# Altium PCB Mainboard.PcbDoc
Units mm, origin at the board's own origin, x right, y up, seen from the top; angles counter-clockwise.
Board outline 70 x 71 mm, 2 copper layers (Top Layer, Bottom Layer), stack 1.57 mm thick; 51 components, 59 nets, 190 pads, 250 vias.
Unrouted connection lines stored in the file: 4.
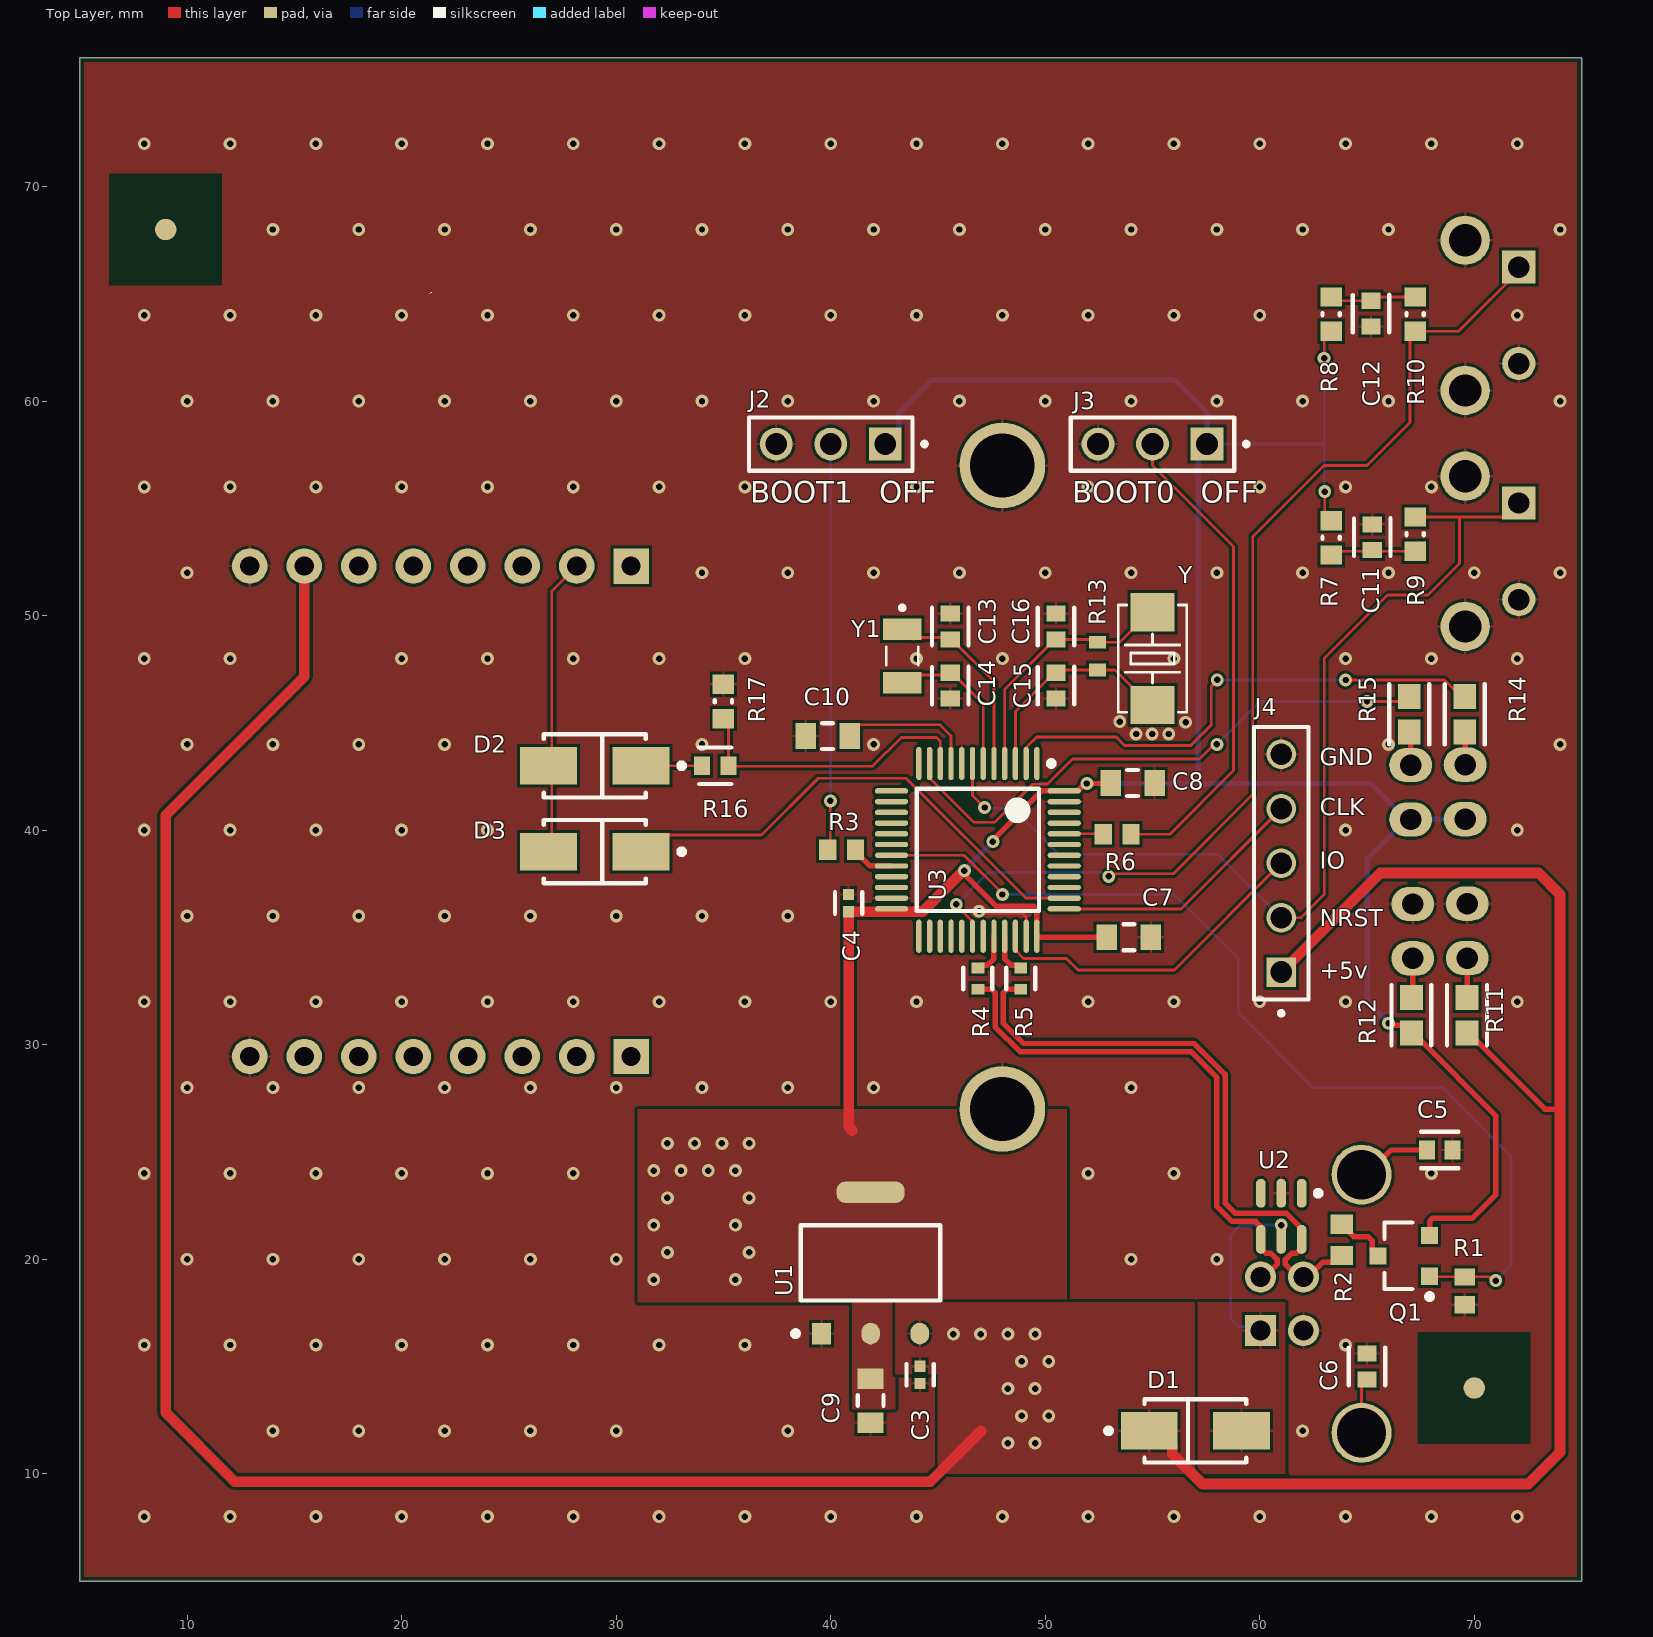
[diagram p0: Top Layer view]
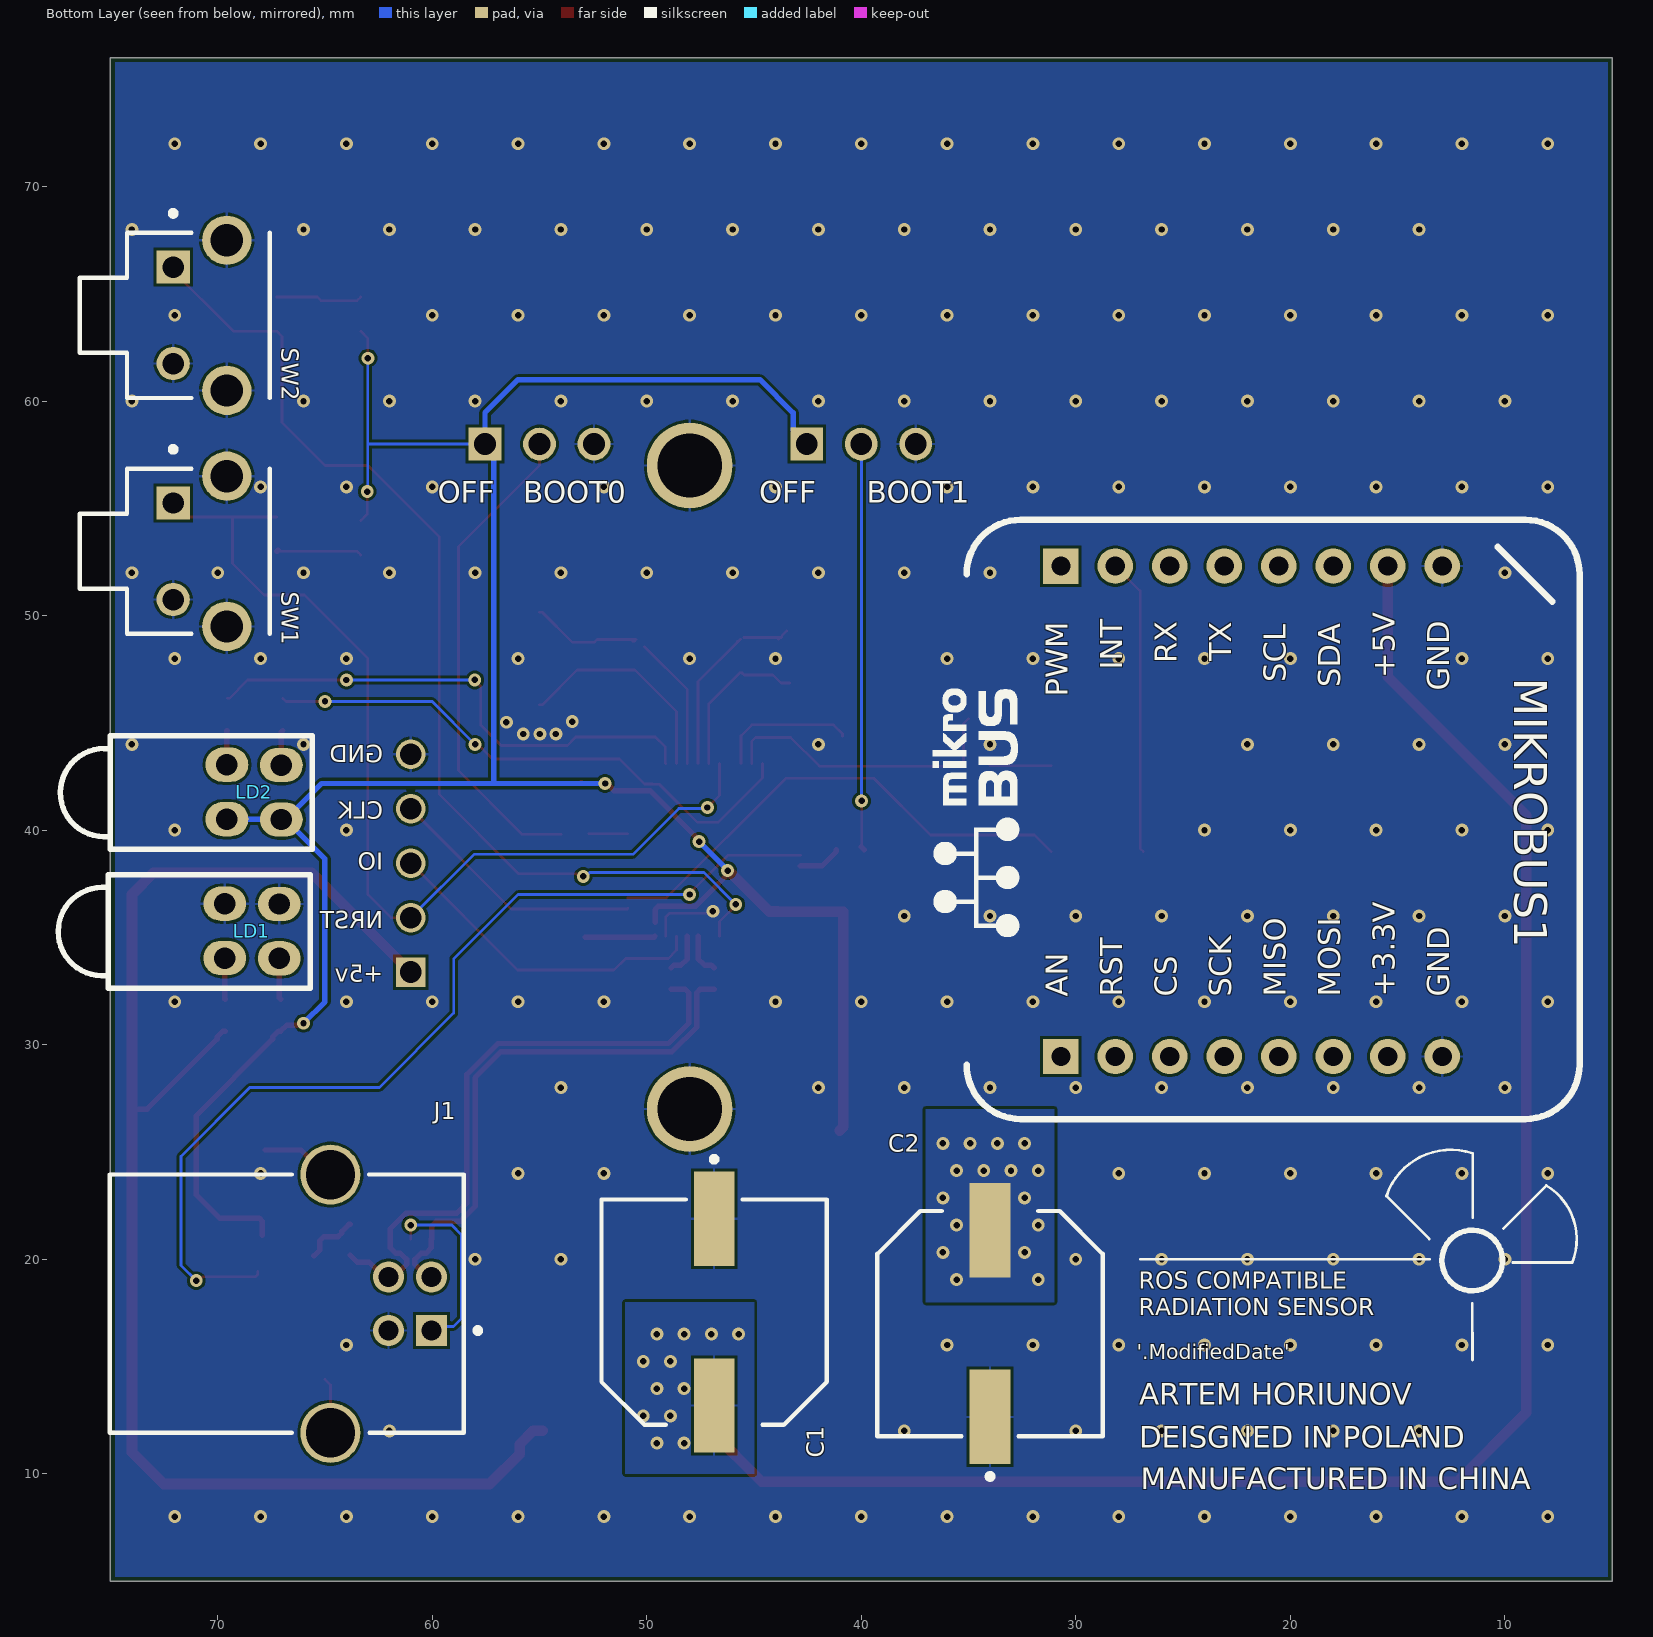
[diagram p1: Bottom Layer view, seen from below]
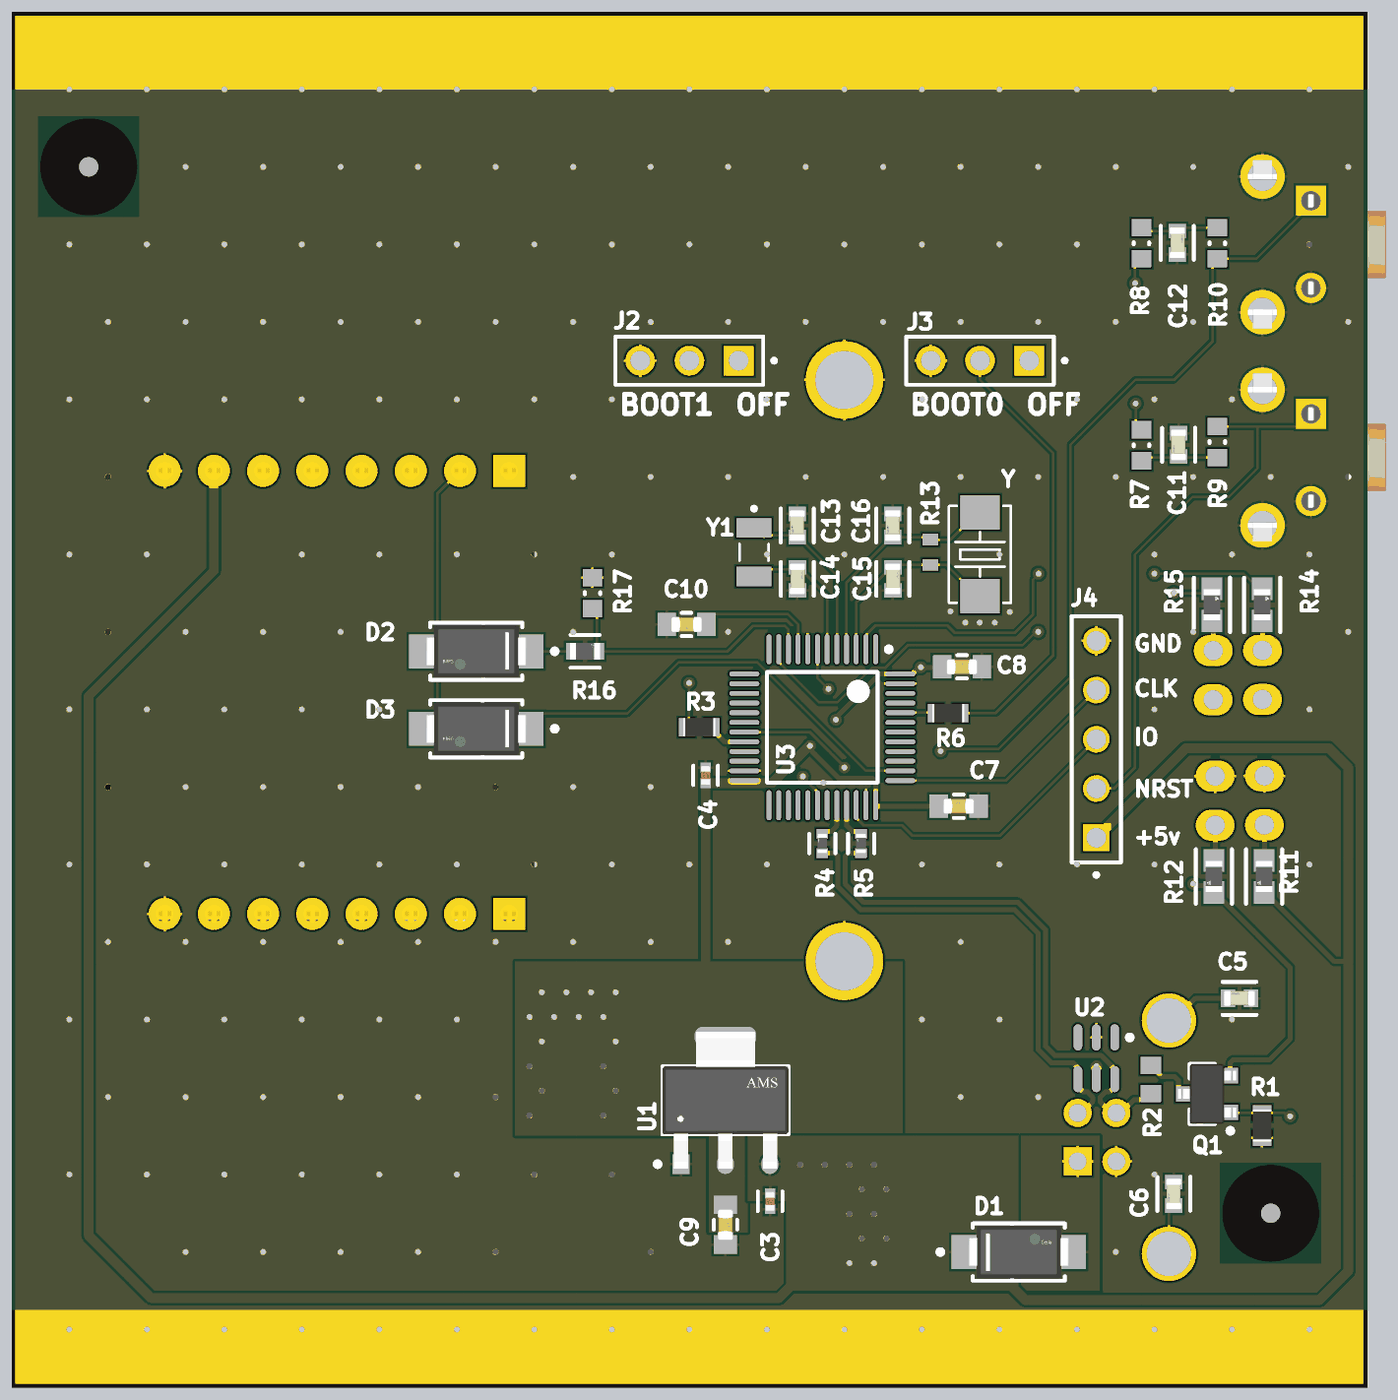
[diagram p2: 3D render of the assembled board from above, using the file's embedded part models]
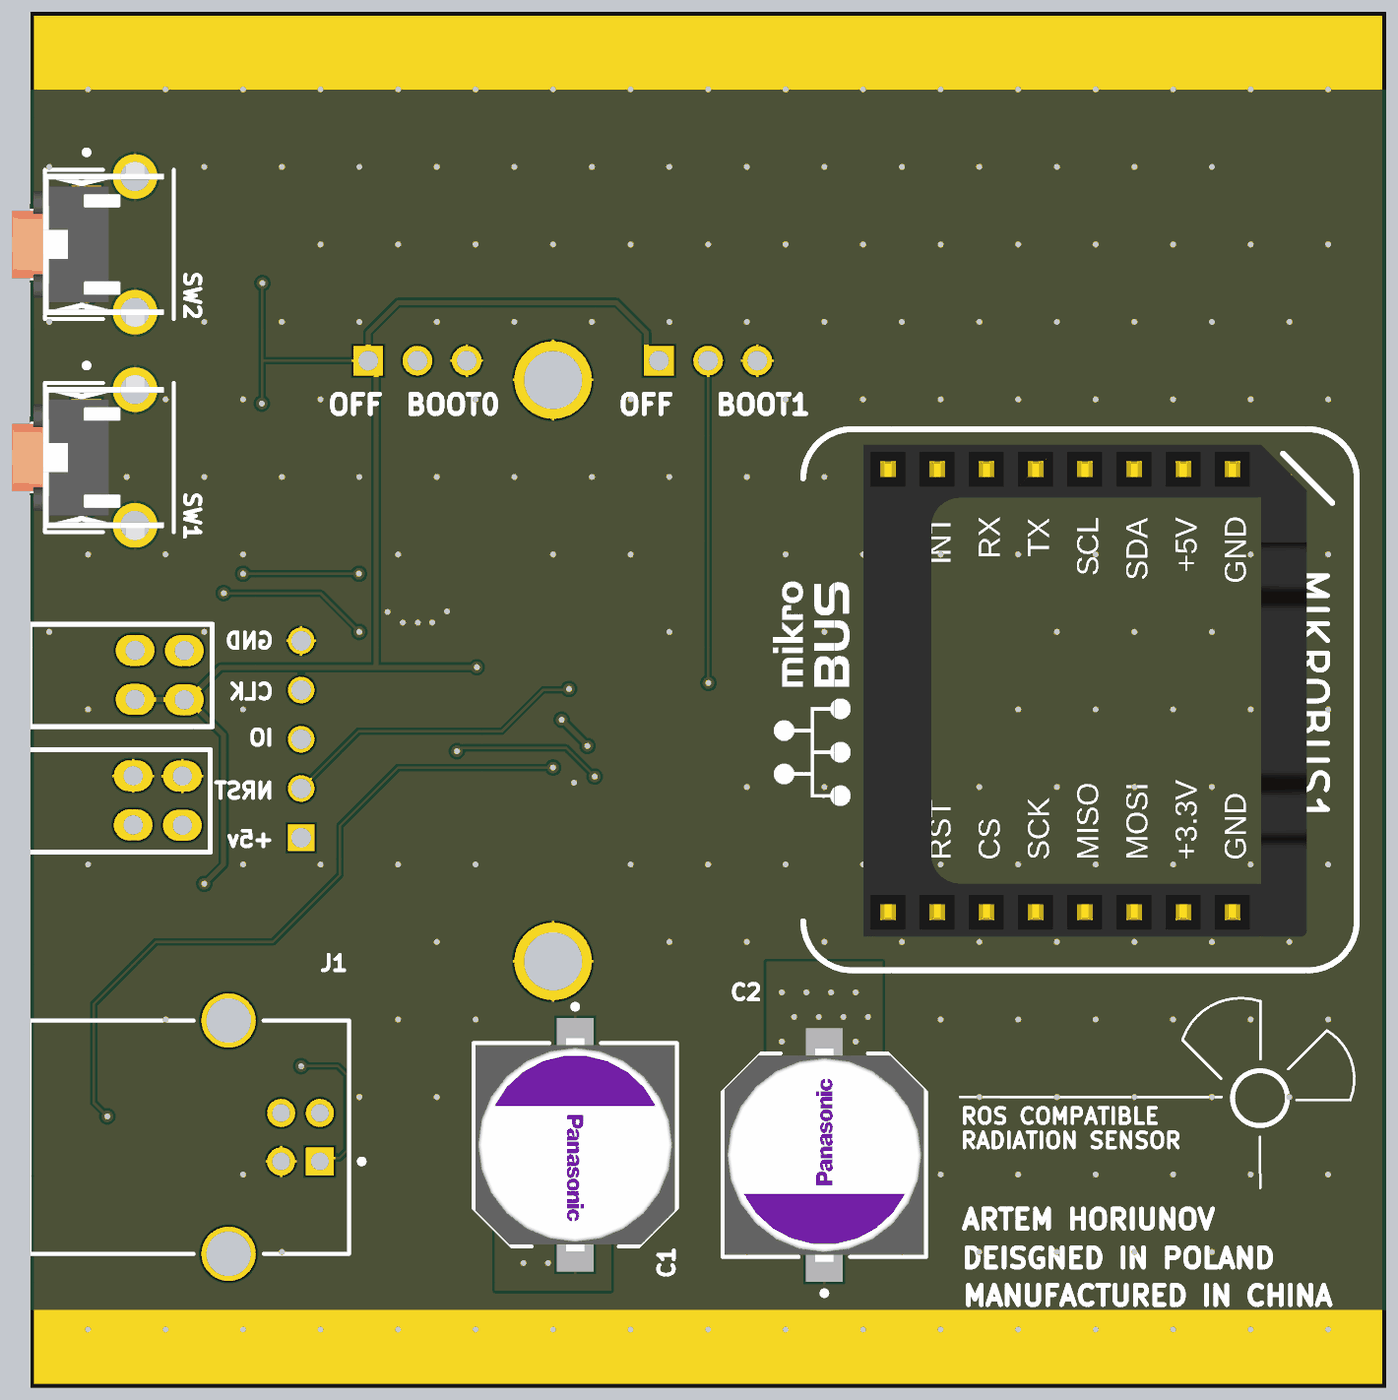
[diagram p3: 3D render of the assembled board from below, using the file's embedded part models]

## Layer stack, top to bottom
Top Solder: solder mask 0.0127, Solder Resist, Dk 3.8
Top Layer: signal copper 0.035
Dielectric: core 1.5, FR-4, Dk 4.5
Bottom Layer: signal copper 0.035
Bottom Solder: solder mask 0.0127, Solder Resist, Dk 3.8

## Board outline
5,5 5,76 75,76 75,5

## Design rules (kind name [scope] priority, off if disabled: settings)
BoardOutlineClearance [All] p1: gap=0.2 ignorepadtopadclearanceinfootprint=FALSE
Clearance [All] p1: gap=0.127 ignorepadtopadclearanceinfootprint=FALSE except(0.25: Arc-Hole Track-Hole SMDPad-Hole THPad-Hole Via-Hole Fill-Hole Poly-Hole Region-Hole Text-Hole)
ComponentClearance [All] p1: gap=0.127 collisioncheckmode=3 verticalgap=0.127 showdistances=TRUE
DiffPairsRouting USB [InDifferentialPair('USB_D')] p1: maxlimit=0.127 minlimit=0.127 mostfreqgap=0.127 toplayer_minwidth=0.254 toplayer_maxwidth=0.254 toplayer_prefwidth=0.254 bottomlayer_minwidth=0.254 bottomlayer_maxwidth=0.254 bottomlayer_prefwidth=0.254 impedanceprofiledriven=TRUE impedanceprofileid={5C8F3359-1C88-429D-8391-E434156A1559} impedanceprofilevalue=90.000000 maxuncoupledlength=12.7
Height [All] p1: minheight=0 maxheight=1816.048 prefheight=12.7
HoleSize [All] p1: absolutevalues=TRUE maxlimit=6.3 minlimit=0.3 maxpercent=80.000 minpercent=20.000
HoleToHoleClearance [All] p1: gap=0.25 allowstackedmicrovias=FALSE
MinimumAnnularRing [All] p1: minimumring=0.076
MinimumSolderMaskSliver [All] p1: minsoldermaskwidth=0
PlaneClearance [All] p1: clearance=0.127
PlaneConnect PlaneConnectPowerPads [InPadClass('PowerPads')] p1: planeconnectstyle=Direct reliefexpansion=0.508 reliefentries=4 reliefconductorwidth=0.254 reliefairgap=0.254
PlaneConnect [All] p2: pad.planeconnectstyle=Relief pad.reliefexpansion=0.3 pad.reliefentries=4 pad.reliefconductorwidth=0.127 pad.reliefairgap=0.127 via.planeconnectstyle=Direct via.reliefexpansion=0.3 via.reliefentries=4 via.reliefconductorwidth=0.127 via.reliefairgap=0.127
PolygonConnect PolygonConnectPowerPads [InNet('+3v3')] p1: connectstyle=Direct reliefconductorwidth=0.254 reliefentries=4 polygonreliefangle="90 Angle" airgapwidth=0.254
PolygonConnect [All] p2: thpad.connectstyle=Relief thpad.reliefconductorwidth=0.127 thpad.reliefentries=4 thpad.polygonreliefangle="90 Angle" thpad.airgapwidth=0.127 smdpad.connectstyle=Relief smdpad.reliefconductorwidth=0.127 smdpad.reliefentries=4 smdpad.polygonreliefangle="90 Angle" smdpad.airgapwidth=0.127 via.connectstyle=Direct via.reliefconductorwidth=0.127 via.reliefentries=4 via.polygonreliefangle="90 Angle" via.airgapwidth=0.127
RoutingVias [All] p1: holewidth=0.3 width=0.6 viastyle="Through Hole" minholewidth=0.3 minwidth=0.6 maxholewidth=0.6 maxwidth=6.6
SilkToSilkClearance [All] p1: silktosilkclearance=0
SilkToSolderMaskClearance [IsPad] p1: minsilkscreentomaskgap=0.127 clearancetoexposedcopper=TRUE
SolderMaskExpansion [All] p1: expansion=0.075 istentingtop=FALSE
SupplyNets "Schematic Supply Nets_4" [InNet('GND')] p1: voltage=0.000
SupplyNets "Schematic Supply Nets_2" [InNet('+5')] p2: voltage=0.000
SupplyNets "Schematic Supply Nets_1" [InNet('+3v3')] p3: voltage=0.000
SupplyNets "Schematic Supply Nets" [InNet('VBUS')] p4: voltage=0.000
Width [All] p1: maxlimit=25.4 minlimit=0.127 preferedwidth=0.127 minimp=50.000000 maximp=50.000000 favimp=50.000000
20 further rules are at their usual default settings.

## Classes and differential pairs
net class USB: D_N D_P
component class MCU: C7 C8 C9 C10 C11 C12 C13 C14 C15 C16 D2 D3 J2 J3 J4 LD1 LD2 R3 R4 R5 R6 R7 R8 R9 R10 R11 R12 R13 R14 R15 R16 R17 SW1 SW2 TP1 TP2 U3 Y Y1
component class Mainboard: C1 C2 C3 C4 C5 C6 D1 J1 MBD? MIKROBUS1 Q1 R1 R2 U1 U2
differential pair D: +D_P -D_N
differential pair USB_D: +USB_D_P -USB_D_N

## Components (designator, comment, footprint, x,y, rotation, side; value= is the part's Value field where it differs from the comment)
C1 "330uF" FP-OS-CON-SMT-F12-MFG 46.86,17.533 r270 bottom
C2 "330uF" FP-OS-CON-SMT-F12-MFG 34,17 r90 bottom
C3 "100nF" FP-C0402-BB-MFG 44.168,14.614 r270 top value="0.10 μF"
C4 "100nF" FP-C0402-BB-MFG 40.835,36.599 r90 top value="0.10 μF"
C5 "20pF" FP-C0603C-CF-MFG 68.387,25.091 r0 top value="20 pF"
C6 "20pF" FP-C0603C-CF-MFG 65,15 r90 top value="20 pF"
C7 "100n" FP-CGA3E-0_3-0_1-IPC_A 53.899,35.008 r0 top
C8 "100n" FP-CGA3E-0_3-0_1-IPC_A 54.069,42.2 r0 top
C9 "100n" FP-CGA3E-0_3-0_1-IPC_A 41.86,13.411 r270 top
C10 "100n" FP-CGA3E-0_3-0_1-IPC_A 39.854,44.384 r180 top
C11 "100n" FP-C0603C-CF-MFG 65.244,53.656 r90 top value="0.10 μF"
C12 "100n" FP-C0603C-CF-MFG 65.181,64.081 r270 top value="0.10 μF"
C13 "20pF" FP-C0603C-CF-MFG 45.568,49.491 r90 top value="20 pF"
C14 "20pF" FP-C0603C-CF-MFG 45.571,46.739 r270 top value="20 pF"
C15 "20pF" FP-C0603C-CF-MFG 50.502,46.739 r270 top value="20 pF"
C16 "20pF" FP-C0603C-CF-MFG 50.499,49.491 r90 top value="20 pF"
D1 "SS14" FP-403AE-MFG 57,12 r180 top
D2 "SS14" FP-403AE-MFG 29,43 r0 top
D3 "SS14" FP-403AE-MFG 29,39 r0 top
J1 "A-USBSB" ASSM-A-USBSB-4_V 62.391,17.925 r270 bottom
J2 "3pin goldpin" SAMTEC_HMTSW-103-XX-X-S-XXX 40,58 r0 top
J3 "3pin goldpin" SAMTEC_HMTSW-103-XX-X-S-XXX 55,58 r0 top
J4 "MTSW-105-24-L-S-236" SAMTEC_MTSW-105-24-L-S-236 61,38.46 r270 top
LD1 "" LED_HOLDER 68.387,34.987 r90 bottom
LD2 "" LED_HOLDER 68.287,41.463 r90 bottom
MIKROBUS1 "MIKROBUS HOST CONN" "MIKROBUS HOST CONN 8gen TH" 21.81,40.881 r90 bottom locked
Q1 "AO3401A" AO-SOT-23-3L_V 66.714,20.157 r180 top
R1 "10k" RESC1609X50X30NL8T20 69.557,18.528 r270 top
R2 "1k5" RESC1608X55X30ML15T15 63.816,20.9 r90 top
R3 "10k" RESC1609X50X30NL8T20 40.51,39.08 r180 top
R4 "22R" FP-RC0402-0_4-MFG 46.86,33.08 r90 top
R5 "22R" FP-RC0402-0_4-MFG 48.86,33.08 r90 top
R6 "10k" RESC1609X50X30NL8T20 53.351,39.81 r0 top
R7 "10k" RESC0603(1608)_N 63.329,53.631 r90 top value="2000.00 Ohm"
R8 "10k" RESC0603(1608)_N 63.329,64.056 r270 top value="2000.00 Ohm"
R9 "100R" RESC0603(1608)_N 67.243,53.801 r270 top value="2000.00 Ohm"
R10 "100R" RESC0603(1608)_N 67.244,64.056 r90 top value="2000.00 Ohm"
R11 "220R" FP-CRCW0603-HPe3-IPC_A 69.659,31.377 r270 top
R12 "220R" FP-CRCW0603-HPe3-IPC_A 67.067,31.377 r270 top
R13 "1Meg" RESC1608X55X25LL10T15 52.441,48.112 r90 top
R14 "220R" FP-CRCW0603-HPe3-IPC_A 69.559,45.397 r90 top
R15 "220R" FP-CRCW0603-HPe3-IPC_A 66.967,45.397 r90 top
R16 "5.1k" FP-CRCW0603-e3-IPC_C 34.615,43 r0 top
R17 "10k" RESC0603(1608)_N 35,46 r270 top value="2000.00 Ohm"
SW1 "B3F-3122" FP-B3F-3122-MFG 72,53 r270 bottom
SW2 "B3F-3122" FP-B3F-3122-MFG 72,64 r270 bottom
U1 "AMS1117-3.3" FP-AMS1117-IPC_C 41.86,19.828 r90 top
U2 "IP4220CZ6,125" NXP-SOT457_L 61,22 r270 top